# Altium PCB Remote.PcbDoc (part 2 of 3)
Units mil, origin at the board's own origin, x right, y up, seen from the top; angles counter-clockwise.
Board outline 7743 x 3937.01 mil, 2 copper layers (Top Layer, Bottom Layer); 184 components, 143 nets, 617 pads, 744 vias.
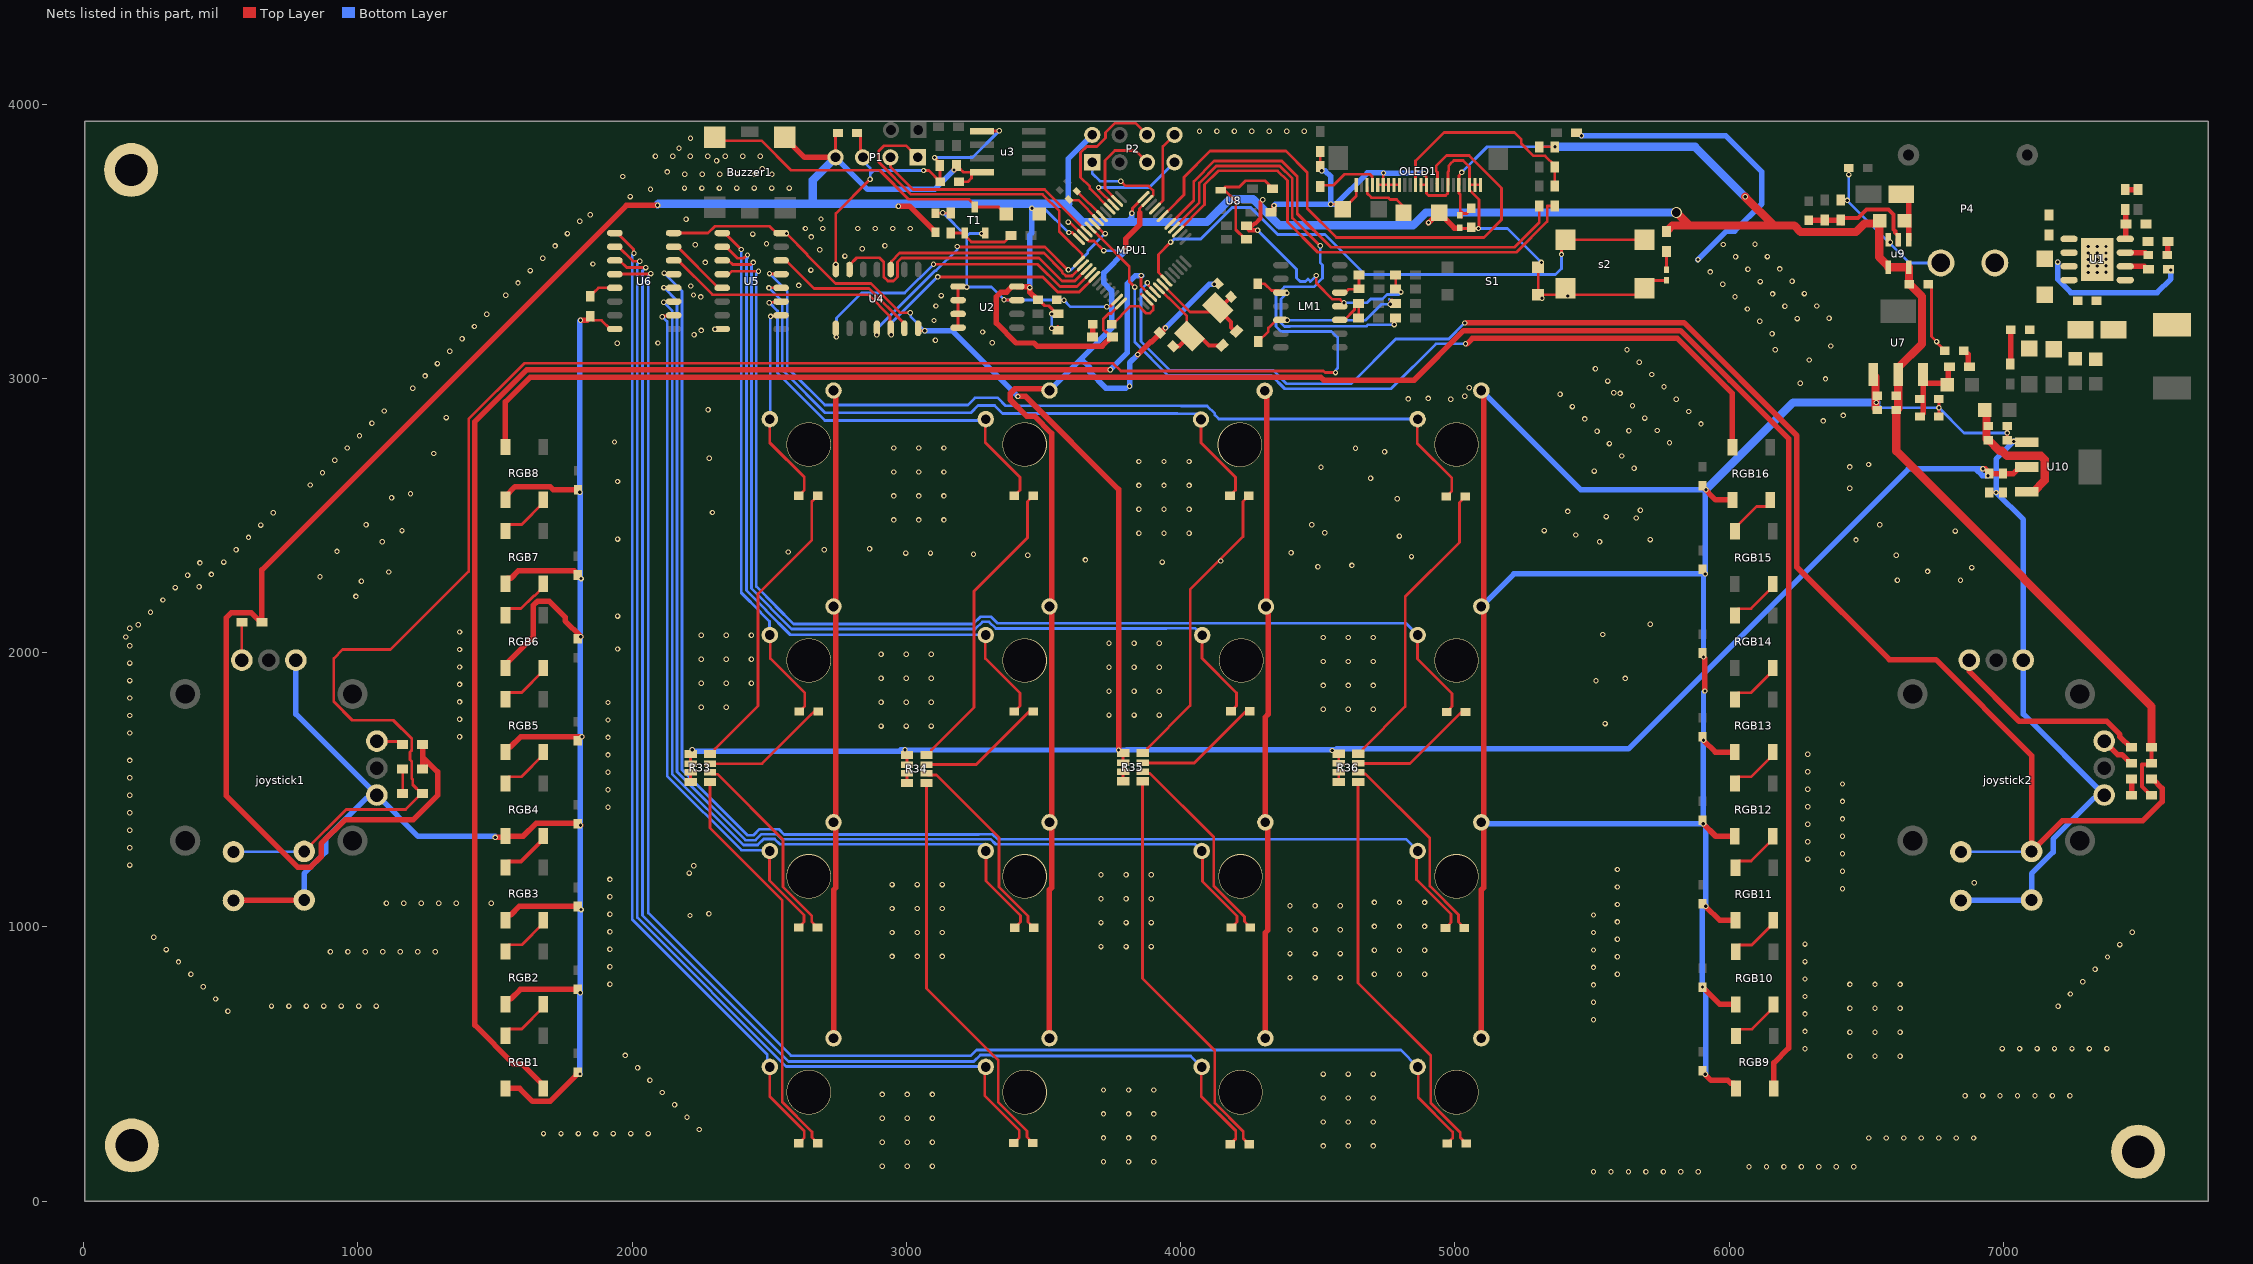
[diagram p2: the nets of this part, all layers, seen from the top]

## Via types
v1: diameter 19.68, hole 11.81, Top Layer to Bottom Layer, tented both sides, 727 vias
v2: diameter 161.42, hole 157.48, Top Layer to Bottom Layer, tented both sides, 16 vias
v3: diameter 39.37, hole 31.5, Top Layer to Bottom Layer, tented both sides, 1 vias

## Nets (pads, with @x,y where several pads share a name; then routed paths per layer and width w, separated by ;. In a path a pad name is that pad's centre, name@x,y a point inside that pad or via, vN(x,y) a via of type N, cw(c..) or ccw(c..) an arc to the next point about the centre after c; other vN are vias at no path point) (continued)
GND: Axis1.2 Axis2.2 Axis3.2 Axis4.2 Axis5.2 Axis6.2 Axis7.2 Axis8.2 Axis9.2 Axis10.2 Axis11.2 Axis12.2 Axis13.2 Axis14.2 Axis15.2 Axis16.2 C1.2 C2.1 C4.1 C5.1 C6.1 C7.1 C8.1 C9.1 C10.1 C11.1 C12.1 C13.1 C14.1 C15.2 C16.1 C17.1 C18.1 C19.1 C20.1 C21.1 C22.1 C23.1 C24.2 C25.2 C26.1 C27.2 C28.2 C29.2 C30.2 C31.2 C32.2 C34.1 C35.1 C36.2 C37.2 C39.1 C40.1 C41.2 C42.2 C43.1 C44.1 D3.1 D4.2 D5.2 E1.2 joystick1.3 joystick1.6 joystick1.J1 joystick2.3 joystick2.6 joystick2.J1 MPU1.23 MPU1.35 MPU1.47 OLED1.1 OLED1.2 OLED1.3 OLED1.7 OLED1.11 OLED1.12 OLED1.16 OLED1.17 OLED1.18 OLED1.19 OLED1.20 OLED1.24 P1.3 P2.1 P4.2 pad.6 R6.1 R7.1 R16.1 R24.2 R26.2 R43.1 R44.2 R45.1 R46.1 R48.1 R53.2 RGB1.3 RGB2.3 RGB3.3 RGB4.3 RGB5.3 RGB6.3 RGB7.3 RGB8.3 RGB9.3 RGB10.3 RGB11.3 RGB12.3 RGB13.3 RGB16.3 S1.1 S1.3 s2.2 T1.2 U1.0 U1.5 U2.1 U2.2 U2.3 U2.4 U2.7 u3.5 U4.7 U5.8 U6.8 U7.1 u9.3 U10.1 | length 36236.5
  Top Layer w10: R53.2@1836.25,3212 R53.2@1847,3222.75 ; R53.2@1847,3226.5 R53.2@1847,3222.75 ; U6.8@1937,3180 1920.27,3180 1888.77,3211.5 1857.75,3211.5 1847,3222.25 R53.2@1847,3222.75 ; v1(2743,3415) 2743,3601 v1(2868,3726) ; C24.2@2820,3895 2822.5,3895 2832.5,3885 2832.5,3828.77 2842,3819.27 P1.3@2842,3806 ; v1(3063,3758) 3082,3758 C27.2@3123,3717 3123,3775 R24.2@3122,3776 3122,3786 v1(3103,3805) ; C26.1@3106,3602 3106.5,3602.5 R26.2@3162,3602.5 ; U2.4@3188.72,3185 U2.3@3188.72,3235 U2.2@3188.72,3285 U2.1@3188.72,3335 3189.72,3334 3219,3334 v1(3220,3333) ; u3.5@3276.02,3902 3276.52,3902.5 3338.5,3902.5 v1(3339,3903) ; v1(3356,3287) 3357,3286 3402.28,3286 U2.7@3403.28,3285 ; v1(3590.26,3570) 3592.11,3568.15 3597.58,3568.15 MPU1.35@3643.74,3521.98 3644.23,3521.98 3665.23,3500.99 3685.01,3500.99 v1(3720,3466) ; P2.1@3668,3778 P2.1@3678,3788 ; v1(3731,3261) 3732.85,3262.85 3744.64,3262.85 3768.53,3286.74 MPU1.47@3769.02,3286.74 ; v1@3782.94,3719 3799.93,3702.01 3882.98,3702.01 3899.98,3685.01 3899.98,3668.74 3878.98,3647.75 MPU1.23@3878.98,3647.26 3878.49,3647.26 3850.53,3619.29 3850.53,3603.35 ; R16.1@4509,3772 R7.1@4509,3828 ; v1(4548,3635) 4575,3635 4593,3617 4640.62,3664.62 OLED1.24@4640.62,3705.69 ; OLED1.20@4719.36,3705.69 OLED1.19@4739.05,3705.69 ; v1(4740,3749) 4739.52,3748.52 4739.52,3706.17 OLED1.19@4739.05,3705.69 ; OLED1.16@4798.88,3705.69 OLED1.16@4798.1,3705.69 OLED1.17@4778.42,3705.69 OLED1.18@4758.73,3705.69 OLED1.19@4739.05,3705.69 ; OLED1.12@4876.84,3705.69 OLED1.11@4896.53,3705.69 ; v1(4889,3746) 4889,3743.42 4895.75,3736.67 4895.75,3706.47 OLED1.11@4896.53,3705.69 ; C14.1@5020,3548.16 5021.48,3546.68 v1(5086.16,3546.68) 5086.16,3549.3 5088.16,3551.3 5088.16,3651.86 5053.23,3686.79 OLED1.3@5053.23,3705.69 ; OLED1.1@5093.38,3705.69 OLED1.2@5073.69,3705.69 OLED1.3@5054.01,3705.69 5054.01,3771.31 5030.48,3794.84 4996.54,3794.84 4983.16,3781.46 4983.16,3780.47 4977.84,3775.16 4977.84,3756.23 4976,3754.39 4976,3752.95 4975.27,3752.21 OLED1.7@4975.27,3705.69 4974.49,3704.91 4974.49,3674.72 4966.87,3667.1 4904.92,3667.1 4897.31,3674.72 4897.31,3704.91 OLED1.11@4896.53,3705.69 ; S1.1@5304,3405 S1.3@5304,3305 5669.27,3305 s2.2@5692.69,3328.42 5721.58,3357.31 C25.2@5772,3357.31 ; R48.1@6407,3650 6408,3649 v1(6431,3649) ; C37.2@6534.3,2891.7 C37.2@6541,2885 ; C39.1@6726,3343 6728.5,3343 6738.5,3333 6738.5,3152.76 6755.37,3135.89 6755.37,3132.63 6774.5,3113.5 6774.5,3111 6784.5,3101 D5.2@6787,3101 ; C35.1@6765,2925 6765.55,2924.45 v1(6765.55,2892.72) C34.1@6765.55,2861 ; C42.2@6949,2584 v1(6974,2584) C41.2@6999,2584 ; C40.1@7014,2826 C43.1@7014,2774 7020.45,2767.55 U10.1@7085.65,2767.55
  Top Layer w20: joystick1.J1@546.39,1096 547.31,1096.92 803.38,1096.92 joystick1.J1@804.3,1097.83 ; v1(1501,1326) 1533,1326 RGB4.3@1538,1331 1603.09,1331 1650.62,1378.53 1801.47,1378.53 1810,1370 v1(1812,1370) ; RGB1.3@1538,411 1589.81,411 1637.34,363.47 1700.97,363.47 1797,459.5 1797,465 C11.1@1802,470 ; RGB2.3@1538,717.67 1538,729.48 1545.72,737.19 1557.53,737.19 1592.48,772.14 C10.1@1802,772.14 ; RGB3.3@1538,1024.33 1538,1036.14 1545.72,1043.86 1557.53,1043.86 1587.95,1074.29 C9.1@1802,1074.29 ; RGB5.3@1538,1637.67 1538,1649.48 1545.72,1657.19 1557.53,1657.19 1593.33,1693 v1(1817,1693) ; RGB6.3@1538,1944.33 1538,1956.14 1640.28,2058.43 1640.28,2173.32 1650.83,2183.86 1652.99,2183.86 1656.13,2187 1698.03,2187 1755.52,2129.52 1755.52,2115.48 v1(1813,2058) ; RGB7.3@1538,2251 1538,2262.81 1545.72,2270.53 1557.53,2270.53 1585.53,2298.53 1788.83,2298.53 1802,2285.36 C5.1@1802,2282.86 ; RGB8.3@1538,2557.67 1538,2569.48 1573.72,2605.19 1700.97,2605.19 1712.16,2594 C4.1@1803,2594 ; v1(1812,3212) R53.2@1836.25,3212 ; Axis13.2@2734.55,593.55 2734.55,1135.06 2742.71,1143.22 2742.71,2936.77 2734.55,2944.93 Axis1.2@2734.55,2955.76 ; Axis14.2@3521.95,593.55 3521.95,1135.06 3530.11,1143.22 3530.11,2775.2 3530.11,2799.79 3467.51,2862.4 3438.6,2862.4 3379,2922 3379,2945.6 3395.4,2962 3515.71,2962 Axis2.2@3521.95,2955.76 ; P2.1@3668,3778 3678,3768 P2.1@3678,3788 ; v1(3799.57,3464.57) 3799.57,3508.49 3850.53,3559.44 3850.53,3603.35 ; v1(3844,3087) 3890.43,3133.43 3894.43,3133.43 v1(3945,3184) ; Axis3.2@4306.77,2954.55 4306.77,2943.73 4314.93,2935.57 4314.93,2171.23 Axis7.2@4311.55,2167.85 4311.55,2157.03 4319.71,2148.87 4319.71,1775.5 4309.35,1765.15 Axis11.2@4309.35,1380.95 4309.35,1370.13 4317.51,1361.97 4317.51,987.25 4309.35,979.09 Axis15.2@4309.35,593.55 ; R44.2@4329.5,3606 4333.75,3606 4339.5,3611.75 4339.5,3628.5 v1(4341,3630) ; v1(4903.99,3568) 4903.99,3567.01 C15.2@4941.99,3605.01 ; C15.2@4942.99,3604.01 4998.84,3548.16 C14.1@5020,3548.16 ; Axis16.2@5096.76,593.55 5096.76,1135.06 5104.91,1143.22 5104.91,2936.77 5096.76,2944.93 Axis4.2@5096.76,2955.76 ; v1(5903,781) 5967,717 RGB10.3@6024.4,717 ; C16.1@5903,2608 5903,2605.5 5951.5,2557 RGB16.3@6012.4,2557 ; v1(5906,1376) 5951.67,1330.33 RGB12.3@6021.4,1330.33 ; v1(5907,1680) 5950,1637 RGB13.3@6021.4,1637 ; v1(5907,1984) 5912,1979 v1(5912,1860) ; v1(5913,462) 5935,440 5995.73,440 6005.87,429.86 6017.69,429.86 6025.4,422.14 RGB9.3@6025.4,410.33 ; v1(5915,1075) 5966.33,1023.67 RGB11.3@6023.4,1023.67
  Top Layer w30: C37.2@6534.3,2891.7 U7.1@6534.3,3006.3
  Bottom Layer w10: P1.3@2842,3806 2842,3792.73 2868,3766.73 2868,3744 ; v1(2868,3726) 2868,3744 ; v1(3063,3758) 2882,3758 2868,3744 ; v1(3103,3805) 3241,3805 v1(3339,3903) ; v1(3133,3604) 3220,3517 ; v1(3274,3528) 3231,3528 3220,3517 ; P2.1@3678,3788 3678,3746.62 3705.62,3719 v1(3782,3719) ; v1(3720,3466) 3720.71,3465.29 3798.86,3465.29 v1(3799.57,3464.57) ; 3749,3249 3745.62,3249 3733.62,3261 v1(3731,3261) 3599,3261 v1(3575,3285) 3574,3286 3357,3286 v1(3356,3287) 3310,3333 v1(3220,3333) 3220,3517 ; v1(4740,3749) v1@4741.5,3747.5 ; v1@4887.5,3747.5 v1(4889,3746) ; v1(5086.16,3546.68) 5192.32,3546.68 v1(5316,3423) ; v1(5913,462) v1@5914.5,463.5 ; v1(6431,3649) 6658.85,3421.15 P4.2@6772.57,3421.15 ; 6437,3657.62 v1(6437,3743) ; v1(6537,2912) 6556.28,2892.72 v1(6765.55,2892.72) 6857.28,2801 v1(7015,2801)
  Bottom Layer w20: joystick1.3@773.82,1972.7 773.82,1775.85 joystick1.6@1069.09,1480.57 ; joystick1.J1@804.3,1097.83 804.3,1193.87 882.82,1272.39 882.82,1319.83 1032.32,1469.34 1057.86,1469.34 joystick1.6@1069.09,1480.57 ; v1@1501,1330 1219.67,1330 joystick1.6@1069.09,1480.57 ; v1(1810,463) 1810,759 v1(1811,760) 1811,2582.86 v1(1808.86,2585) 1808.86,3208.86 v1(1812,3212) ; Axis2.2@3521.95,2955.76 3637.38,3071.19 ; v1(3799.57,3464.57) 3720,3385 3720,3348 3749,3319 3749,3249 3749,3182.8 3637.38,3071.19 ; 3800,2964 3728,2964 3669.28,3022.72 3669.28,3039.28 3637.38,3071.19 ; v1(3814,2971) 3814,3057 v1(3844,3087) ; v1(3945,3184) 4104,3343 v1(4123.24,3343) ; v1(4341,3630) 4346,3635 v1(4548,3635) ; v1(4515,3756.75) 4527.47,3756.75 4548,3736.22 v1(4548,3635) ; v1(4740,3749) 4681,3749 4567,3635 v1(4548,3635) ; v1@4741.5,3747.5 v1@4887.5,3747.5 ; Axis12.2@5096.76,1380.95 5101.71,1376 v1(5906,1376) ; Axis8.2@5096.76,2168.35 5215.4,2287 v1(5913,2287) ; Axis4.2@5096.76,2955.76 5458.51,2594 v1(5916,2594) 5913,2591 v1(5913,2287) ; v1(5462,3885) 5988,3885 6120,3753 6120,3636.73 6020.15,3536.89 5990.66,3536.89 v1(5886.89,3433.11) ; v1(5907,1984) 5907,2281 v1(5913,2287) ; v1(5912,1860) 5907,1855 v1(5907,1680) 5906,1679 v1(5906,1376) ; v1@5914.5,463.5 5914.5,769.5 v1(5903,781) 5903,1063 v1(5915,1075) 5915,1367 v1(5906,1376) ; joystick2.J1@6845.61,1096 6846.52,1096.92 7102.59,1096.92 joystick2.J1@7103.51,1097.83 7103.51,1193.87 7182.04,1272.39 7182.04,1319.83 7331.54,1469.34 7357.07,1469.34 joystick2.6@7368.31,1480.57 7073.03,1775.85 joystick2.3@7073.03,1972.7 7073.03,2484.97 v1(6974,2584) 6974,2706 v1(7038,2770)
  Bottom Layer w30: v1(5916,2594) 6234,2912 v1(6537,2912)
  other v1: 5506,107 5569.67,107 5633.33,107 5697,107 5760.67,107 5824.33,107 5888,107 6073,125 6136.67,125 6200.33,125 6264,125 6327.67,125 6391.33,125 6455,125 2912,127 3003.5,127 3095,127 3719,143 3810.5,143 3902,143 4520,201 4611.5,201 4703,201 2912,214.33 3003.5,214.33 3095,214.33 3719,230.33 3810.5,230.33 3902,230.33 6510,230 6573.67,230 6637.33,230 6701,230 6764.67,230 6828.33,230 6892,230 1677,246 1740.67,246 1804.33,246 1868,246 1931.67,246 1995.33,246 2059,246 2245.11,260.89 4520,288.33 4611.5,288.33 4703,288.33 2912,301.67 3003.5,301.67 3095,301.67 2200.1,305.9 3719,317.67 3810.5,317.67 3902,317.67 2155.08,350.92 4520,375.67 4611.5,375.67 4703,375.67 6861,384 6924.67,384 6988.33,384 7052,384 7115.67,384 7179.33,384 7243,384 2912,389 3003.5,389 3095,389 2110.06,395.94 3719,405 3810.5,405 3902,405 2065.04,440.96 4520,463 4611.5,463 4703,463 2020.02,485.98 6441,528 6532.5,528 6624,528 1975,531 6277,555 6996,556 7059.67,556 7123.33,556 7187,556 7250.67,556 7314.33,556 7378,556 6441,615.33 6532.5,615.33 6624,615.33 6277,618.67 5506,661 6277,682.33 526.11,691.89 6441,702.67 6532.5,702.67 6624,702.67 7200,710 685,711 748.67,711 812.33,711 876,711 939.67,711 1003.33,711 1067,711 5506,724.67 481.1,736.9 6277,746 7245.02,755.02 436.08,781.92 5506,788.33 6441,790 6532.5,790 6624,790 1919,791 7290.04,800.04 6277,809.67 4399,815 4490.5,815 4582,815 391.06,826.94 4707,826.94 4798.5,826.94 4890,826.94 5593,826.94 7335.06,845.06 5506,852 1919,854.67 346.04,871.96 6277,873.33 7380.08,890.08 5593,890.61 2948,892 3039.5,892 3131,892 4399,902.33 4490.5,902.33 4582,902.33 900,909 963.67,909 1027.33,909 1091,909 1154.67,909 1218.33,909 1282,909 4707,914.28 4798.5,914.28 4890,914.28 5506,915.67 301.02,916.98 1919,918.33 3710,928 3801.5,928 3893,928 7425.1,935.1 6277,937 5593,954.28 256,962 2948,979.33 3039.5,979.33 3131,979.33 5506,979.33 7470.11,980.11 1919,982 4399,989.67 4490.5,989.67 4582,989.67 4707,1001.61 4798.5,1001.61 4890,1001.61 3710,1015.33 3801.5,1015.33 3893,1015.33 5593,1017.94 2211,1041.2 5506,1043 1919,1045.67 2280,1048 1814,1063 2948,1066.67 3039.5,1066.67 3131,1066.67 4399,1077 4490.5,1077 4582,1077 5593,1081.61 1104,1086 1167.67,1086 1231.33,1086 1295,1086 1358.67,1086 1486,1086 4707,1088.94 4798.5,1088.94 4890,1088.94 3710,1102.67 3801.5,1102.67 3893,1102.67 1919,1109.33 6414,1139 5593,1145.28 2948,1154 3039.5,1154 3131,1154 6894,1161 1919,1173 3710,1190 3801.5,1190 3893,1190 2208,1196 6414,1202.67 5593,1208.94 2225,1223 168,1225 6287,1247 6414,1266.33 168,1288.67 6287,1310.67 6414,1330 168,1352.33 6287,1374.33 6414,1393.67 168,1416 1912,1436 6287,1438 6414,1457.33 168,1479.67 1912,1499.67 6287,1501.67 6414,1521 168,1543.33 1912,1563.33 6287,1565.33 168,1607 1912,1627 6287,1629 1912,1690.67 1371,1693 168,1707 2908,1732 2999.5,1732 3091,1732 5548,1741 1912,1754.33 1371,1756.67 168,1770.67 3739,1772 3830.5,1772 3922,1772 4520,1793 4611.5,1793 4703,1793 2252,1801 2343.5,1801 1912,1818 2908,1819.33 2999.5,1819.33 3091,1819.33 1371,1820.33 168,1834.33 3739,1859.33 3830.5,1859.33 3922,1859.33 4520,1880.33 4611.5,1880.33 4703,1880.33 1371,1884 2252,1888.33 2343.5,1888.33 2435,1888.33 5515,1897 168,1898 5622,1906 2908,1906.67 2999.5,1906.67 3091,1906.67 3739,1946.67 3830.5,1946.67 3922,1946.67 1371,1947.67 168,1961.67 4520,1967.67 4611.5,1967.67 4703,1967.67 2252,1975.67 2343.5,1975.67 2435,1975.67 2908,1994 2999.5,1994 3091,1994 1371,2011.33 1947,2013 168,2025.33 3739,2034 3830.5,2034 3922,2034 4520,2055 4611.5,2055 4703,2055 153.89,2056.89 2252,2063 2343.5,2063 2435,2063 5540,2066 1371,2075 168,2089 198.9,2101.9 5713,2103 1947,2133 243.92,2146.92 288.94,2191.94 993,2205 333.96,2236.96 421,2240 1013,2260 6614,2264 6844,2264 1814,2270 862,2277 378.98,2281.98 466.02,2285.02 1113,2294 6724,2296 6885,2310 4501,2313 4625,2318 424,2327 511.04,2330.04 3933,2330 3653,2338 4842,2350 3443,2355 6610,2355 3245,2359 2998,2363 3088,2363 4403,2364 2569,2367 924,2369 556.06,2375.06 2701,2375 2866,2379 1089,2404 5528,2404 6463,2411 5713,2412 1947,2414 601.08,2420.08 4798,2425 5441,2429 3848,2435 3939.5,2435 4031,2435 4526,2437 6825,2443 1161,2445 5326,2445 646.1,2465.1 1030,2466 4478,2466 6550,2466 2954,2484 3045.5,2484 3137,2484 5662,2491 5552,2496 691.11,2510.11 2293,2511 5412,2515 5677,2519 3848,2522.33 3939.5,2522.33 4031,2522.33 4790,2561 1123,2565 2954,2571.33 3045.5,2571.33 3137,2571.33 1192,2579 6440,2599 3848,2609.67 3939.5,2609.67 4031,2609.67 826,2611 1947,2624 4693,2636 871.02,2656.02 2954,2658.67 3045.5,2658.67 3137,2658.67 5509,2662 5654,2672 4512,2676 6440,2677 6509,2686 3848,2697 3939.5,2697 4031,2697 916.04,2701.04 2281,2709 5608.98,2717.02 1277,2726 4744,2732 4638,2745 961.06,2746.06 2954,2746 3045.5,2746 3137,2746 5563.96,2762.04 5783,2765 1936,2768 1006.08,2791.08 5518.94,2807.06 5635,2809 5737.98,2810.02 5898,2834 1051.1,2836.1 6344,2845 5473.92,2852.08 5692.96,2855.04 1322,2857 6417,2865 5852.98,2879.02 1096.11,2881.11 2277,2886 5428.9,2897.1 5647.94,2900.06 4985,2924 5807.96,2924.04 4830,2925 4903,2927 5036,2935 5383.89,2942.11 5602.92,2945.08 5580,2948 1200,2964 5052.37,2966 5762.94,2969.06 6260,2982 5557.9,2990.1 6352,2998 1245.02,3009.02 5717.92,3014.08 5512.89,3035.11 1290.04,3054.04 5672.9,3059.1 6293,3067 1335.06,3099.06 5627.89,3104.11 6169,3104 6371,3118 1946,3128 2094,3129 3313,3130 6757,3134.26 3106,3139 1380.08,3144.08 2226,3159 6157,3163 3278,3169 2252,3175 2302,3179 1425.1,3189.1 6111.98,3208.02 3101,3211 6249,3218 6365,3219 1470.11,3234.11 6066.96,3253.04 6203.98,3263.02 3108,3264.02 6319.98,3264.02 5318,3292 2250,3297 6021.94,3298.06 5412,3300.66 3127,3302 1539,3303 2224,3304 6158.96,3308.04 6274.96,3309.04 2214,3337 2608,3339 5976.92,3343.08 1584.02,3348.02 6113.94,3353.06 6229.94,3354.06 7310.01,3386 7342.51,3386 7375,3387 5931.9,3388.1 1629.04,3393.04 2652,3395 6068.92,3398.08 6184.92,3399.08 7310.01,3409.75 7342.51,3409.75 7375,3410.5 1857,3417 2267,3423 7310.01,3433.5 7342.51,3433.5 7375,3434 1674.06,3438.06 6023.9,3443.1 6139.9,3444.1 2776,3446 7310.01,3457.25 7342.51,3457.25 7375,3457.5 2684,3469 2839,3473 7310.01,3481 7342.51,3481 7375,3481 1719.08,3483.08 2922,3484 2230,3487 5978.89,3488.11 6094.89,3489.11 2490,3491 6588,3496 2653,3516 2440,3526 1764.1,3528.1 2632,3546.68 2695.67,3546.68 2823,3546.68 2886.67,3546.68 2950.33,3546.68 3014,3546.68 1809.11,3573.11 2197,3580 2689,3581 1847,3597 1993,3663 2067,3690 2191,3694 2254.67,3694 2318.33,3694 2382,3694 2445.67,3694 2509.33,3694 2573,3694 1966,3736 2192,3744 2255.67,3744 2319.33,3744 2383,3744 2446.67,3744 2510.33,3744 2128,3753 2475,3765 2308,3794 2085,3810 2148.67,3810 2212.33,3810 2276,3810 2339.67,3810 2403.33,3810 2467,3810 2171,3839 2213,3876 4069,3901 4132.67,3901 4196.33,3901 4260,3901 4323.67,3901 4387.33,3901 4451,3901
  other v2: 2644,396.7 3431.4,396.7 4218.8,396.7 5006.2,396.7 2644,1184.1 3431.4,1184.1 4218.8,1184.1 5006.2,1184.1 4221,1971 2644,1971.5 3431.4,1971.5 5006.2,1971.5 4216.22,2757.7 2644,2758.91 3431.4,2758.9 5006.2,2758.91
GS: U4.13 U5.14 | length 562.1
  Top Layer w10: U5.14@2543.28,3430 2561,3430 2663,3328 2864.17,3328 2993,3199.17 U4.13@2993,3182.43
GS`: MPU1.41 U4.12 U6.14 | length 1816.8
  Top Layer w10: U6.14@2151.57,3430 2168.3,3430 2293.11,3305.19 2861.52,3305.19 2940.73,3225.98 2940.73,3184.7 U4.12@2943,3182.43 ; v1(3115,3370) 3497.42,3370 3552.11,3315.31 3630.56,3315.31 MPU1.41@3685.5,3370.26
  Bottom Layer w10: v1(2945,3159) 2945,3202.3 3112.7,3370 v1(3115,3370)
IREF: OLED1.21 R16.2 | length 245.8
  Top Layer w10: R16.2@4504,3704.5 4558.62,3704.5 4598.41,3744.28 4691.28,3744.28 4698.9,3736.67 4698.9,3706.47 OLED1.21@4699.68,3705.69
IRQ: MPU1.21 P2.8 | length 298.5
  Top Layer w10: MPU1.21@3906.82,3619.42 3906.82,3619.91 3935.98,3649.06 3935.98,3740.38 3935.47,3740.88 3935.47,3845.47 P2.8@3978,3888
IS_USING: MPU1.32 U4.11 | length 1134.5
  Top Layer w10: v1(3186,3481) 3187.69,3479.31 3505.06,3479.31 3588.38,3396 v1(3591,3396) ; MPU1.32@3685.5,3563.74 3721.24,3528 v1(3725,3528) 3719,3528 v1@3717,3530
  Bottom Layer w10: v1(2891.75,3158) 2893.6,3159.85 2893.6,3180.91 3105.54,3392.84 3108.15,3392.84 3186,3470.7 v1(3186,3481) ; v1@3600,3395 3661.57,3456.57 3661.57,3464.57 v1(3725,3528)
K1: Axis1.1 D6.2 U5.10 | length 791.4
  Top Layer w10: Axis1.1@2502.05,2850.22 2502.05,2765.35 2628,2639.4 2628,2592.22 D6.2@2607.78,2572 ; v1(2505,3226) 2506.85,3227.85 2541.14,3227.85 U5.10@2543.28,3230
  Bottom Layer w10: v1(2505,3226) 2503.63,3224.63 2503.63,2874.52 2519.46,2858.69 Axis1.1@2523,2858.69
  Bottom Layer w20: Axis1.1@2502.27,2851.43 2495,2858.69 Axis1.1@2519.46,2858.69
K2: Axis2.1 D7.2 U5.11 | length 1518.2
  Top Layer w10: v1(2500,3276) 2501.85,3277.85 2541.14,3277.85 U5.11@2543.28,3280 ; Axis2.1@3288.27,2850.22 3288.27,2765.35 3414.22,2639.4 3414.22,2592.22 D7.2@3394,2572
  Bottom Layer w10: v1(2500,3276) 2529.84,3246.16 2529.84,3019.16 2536.92,3012.08 2703,2846 3259.52,2846 3277.15,2863.63 3290.56,2862.55 3300.83,2861.73 Axis2.1@3289.67,2851.42
K3: Axis3.1 D8.2 U5.12 | length 2325.4
  Top Layer w10: v1(2499,3330) U5.12@2543.28,3330 ; Axis3.1@4074.49,2850.22 4074.49,2765.35 4200.44,2639.4 4200.44,2592.22 D8.2@4180.22,2572
  Bottom Layer w10: v1(2499,3330) 2548,3281 2548,3029.76 2564.34,3013.42 2703,2874.76 ; 2705.91,2874.76 3235.76,2874.76 3262,2901 3322,2901 3351,2872 3989,2872 3989.75,2871.25 4057.25,2871.25 Axis3.1@4077.07,2851.43
K4: Axis4.1 D9.2 U5.13 | length 3152.2
  Top Layer w10: v1(2501,3382) 2502,3381 2542.28,3381 U5.13@2543.28,3380 ; Axis4.1@4863.27,2847.22 4863.27,2762.35 4989.22,2636.4 4989.22,2589.22 D9.2@4969,2569
  Bottom Layer w10: v1(2501,3382) 2566,3317 2566,3039.76 2584.14,3021.62 2703,2902.76 ; 2703.37,2902.76 3224.16,2902.76 3250.4,2929 3333.6,2929 3362.6,2900 4000.6,2900 4001.35,2899.25 4057.01,2899.25 4057.19,2899.43 4096.95,2899.43 4125.07,2871.31 4125.07,2865.93 4139.59,2851.41 Axis4.1@4864.47,2851.43
K5: Axis5.1 D10.2 U5.1 | length 1881.9
  Top Layer w10: U5.1@2328.72,3530 2337.89,3530 v1(2397.89,3470) ; Axis5.1@2504.05,2063.22 2504.05,1978.35 2630,1852.4 2630,1805.22 D10.2@2609.78,1785
  Bottom Layer w10: v1@2397.89,3462 2397.89,2218.33 2468.89,2147.33 2468.89,2146.11 2501,2114 2501,2084.43 2511.83,2073.59 Axis5.1@2502.27,2064.02
K6: Axis6.1 D11.2 U5.2 | length 2619.4
  Top Layer w10: U5.2@2328.72,3480 2342,3480 2384,3438 2406.38,3438 2418.38,3450 v1(2421,3450) ; Axis6.1@3288.27,2063.22 3288.27,1978.35 3414.22,1852.4 3414.22,1805.22 D11.2@3394,1785
  Bottom Layer w10: v1(2421,3450) 2421,3440 2417,3436 2417,2226.24 2488,2155.24 2488,2154.02 2576.81,2065.21 3288.48,2065.21 Axis6.1@3289.67,2064.02
K7: Axis7.1 D12.2 U5.3 | length 3389.3
  Top Layer w10: U5.3@2328.72,3430 2352,3430 2367,3415 2434,3415 v1(2442,3423) ; Axis7.1@4078.27,2064.22 4078.27,1979.35 4204.22,1853.4 4204.22,1806.22 D12.2@4184,1786
  Bottom Layer w10: v1(2442,3423) 2435,3416 2435,2233.7 2506,2162.7 2506,2161.48 2581.4,2086.08 3250.92,2086.08 3277.11,2112.27 3302.23,2112.27 3326.36,2088.15 3947.88,2088.15 3948.75,2089.02 4052.07,2089.02 Axis7.1@4077.07,2064.02
K8: Axis8.1 D13.2 U5.4 | length 4136
  Top Layer w10: U5.4@2328.72,3380 2354,3380 2365,3391 v1(2461,3391) ; Axis8.1@4864.27,2061.22 4864.27,1976.35 4990.22,1850.4 4990.22,1803.22 D13.2@4970,1783
  Bottom Layer w10: v1(2461,3391) 2453,3383 2453,2241.15 2524,2170.15 2524,2168.94 2588.85,2104.08 3243.46,2104.08 3269.65,2130.27 3309.69,2130.27 3332.94,2107.02 4821.47,2107.02 Axis8.1@4864.47,2064.02
K9: Axis9.1 D14.2 U6.10 | length 2558.5
  Top Layer w10: v1(2110,3225) 2112.62,3225 2115.01,3227.39 2148.96,3227.39 U6.10@2151.57,3230 ; Axis9.1@2501.27,1276.22 2501.27,1168.85 2627.22,1042.9 2627.22,1018.22 D14.2@2607,998
  Bottom Layer w10: v1(2110,3225) 2127.88,3207.12 2127.88,1550.12 2398.33,1279.67 2505.32,1279.67 Axis9.1@2502.27,1276.62
K10: Axis10.1 D15.2 U6.11 | length 3395.4
  Top Layer w10: v1(2115,3278) 2116,3279 2150.57,3279 U6.11@2151.57,3280 ; Axis10.1@3290.27,1275.22 3290.27,1167.26 3416.22,1041.3 3416.22,1017.22 D15.2@3396,997
  Bottom Layer w10: v1(2115,3278) 2146,3247 2146,1694 2146,1558 2406,1298 2458,1298 2480,1320 2520,1320 2539,1301 3278.82,1301 3289.67,1290.15 Axis10.1@3289.67,1276.62
K11: Axis11.1 D16.2 U6.12 | length 4240.2
  Top Layer w10: v1(2116,3331) 2116.5,3330.5 2151.07,3330.5 U6.12@2151.57,3330 ; Axis11.1@4080.05,1276.22 4080.05,1164.88 4206,1038.93 4206,1018.22 D16.2@4185.78,998
  Bottom Layer w10: v1(2116,3331) 2164,3283 2164,1701.46 ; 2164,1730 2164,1565.46 2413.46,1316 2450.54,1316 2472.54,1338 2527.46,1338 2546.46,1319 3271.24,1319 3271.86,1319.62 3307.48,1319.62 3326.1,1301 4052.69,1301 Axis11.1@4077.07,1276.62